# Altium PCB LPCB235R0.PcbDoc (part 5 of 7) (continued)
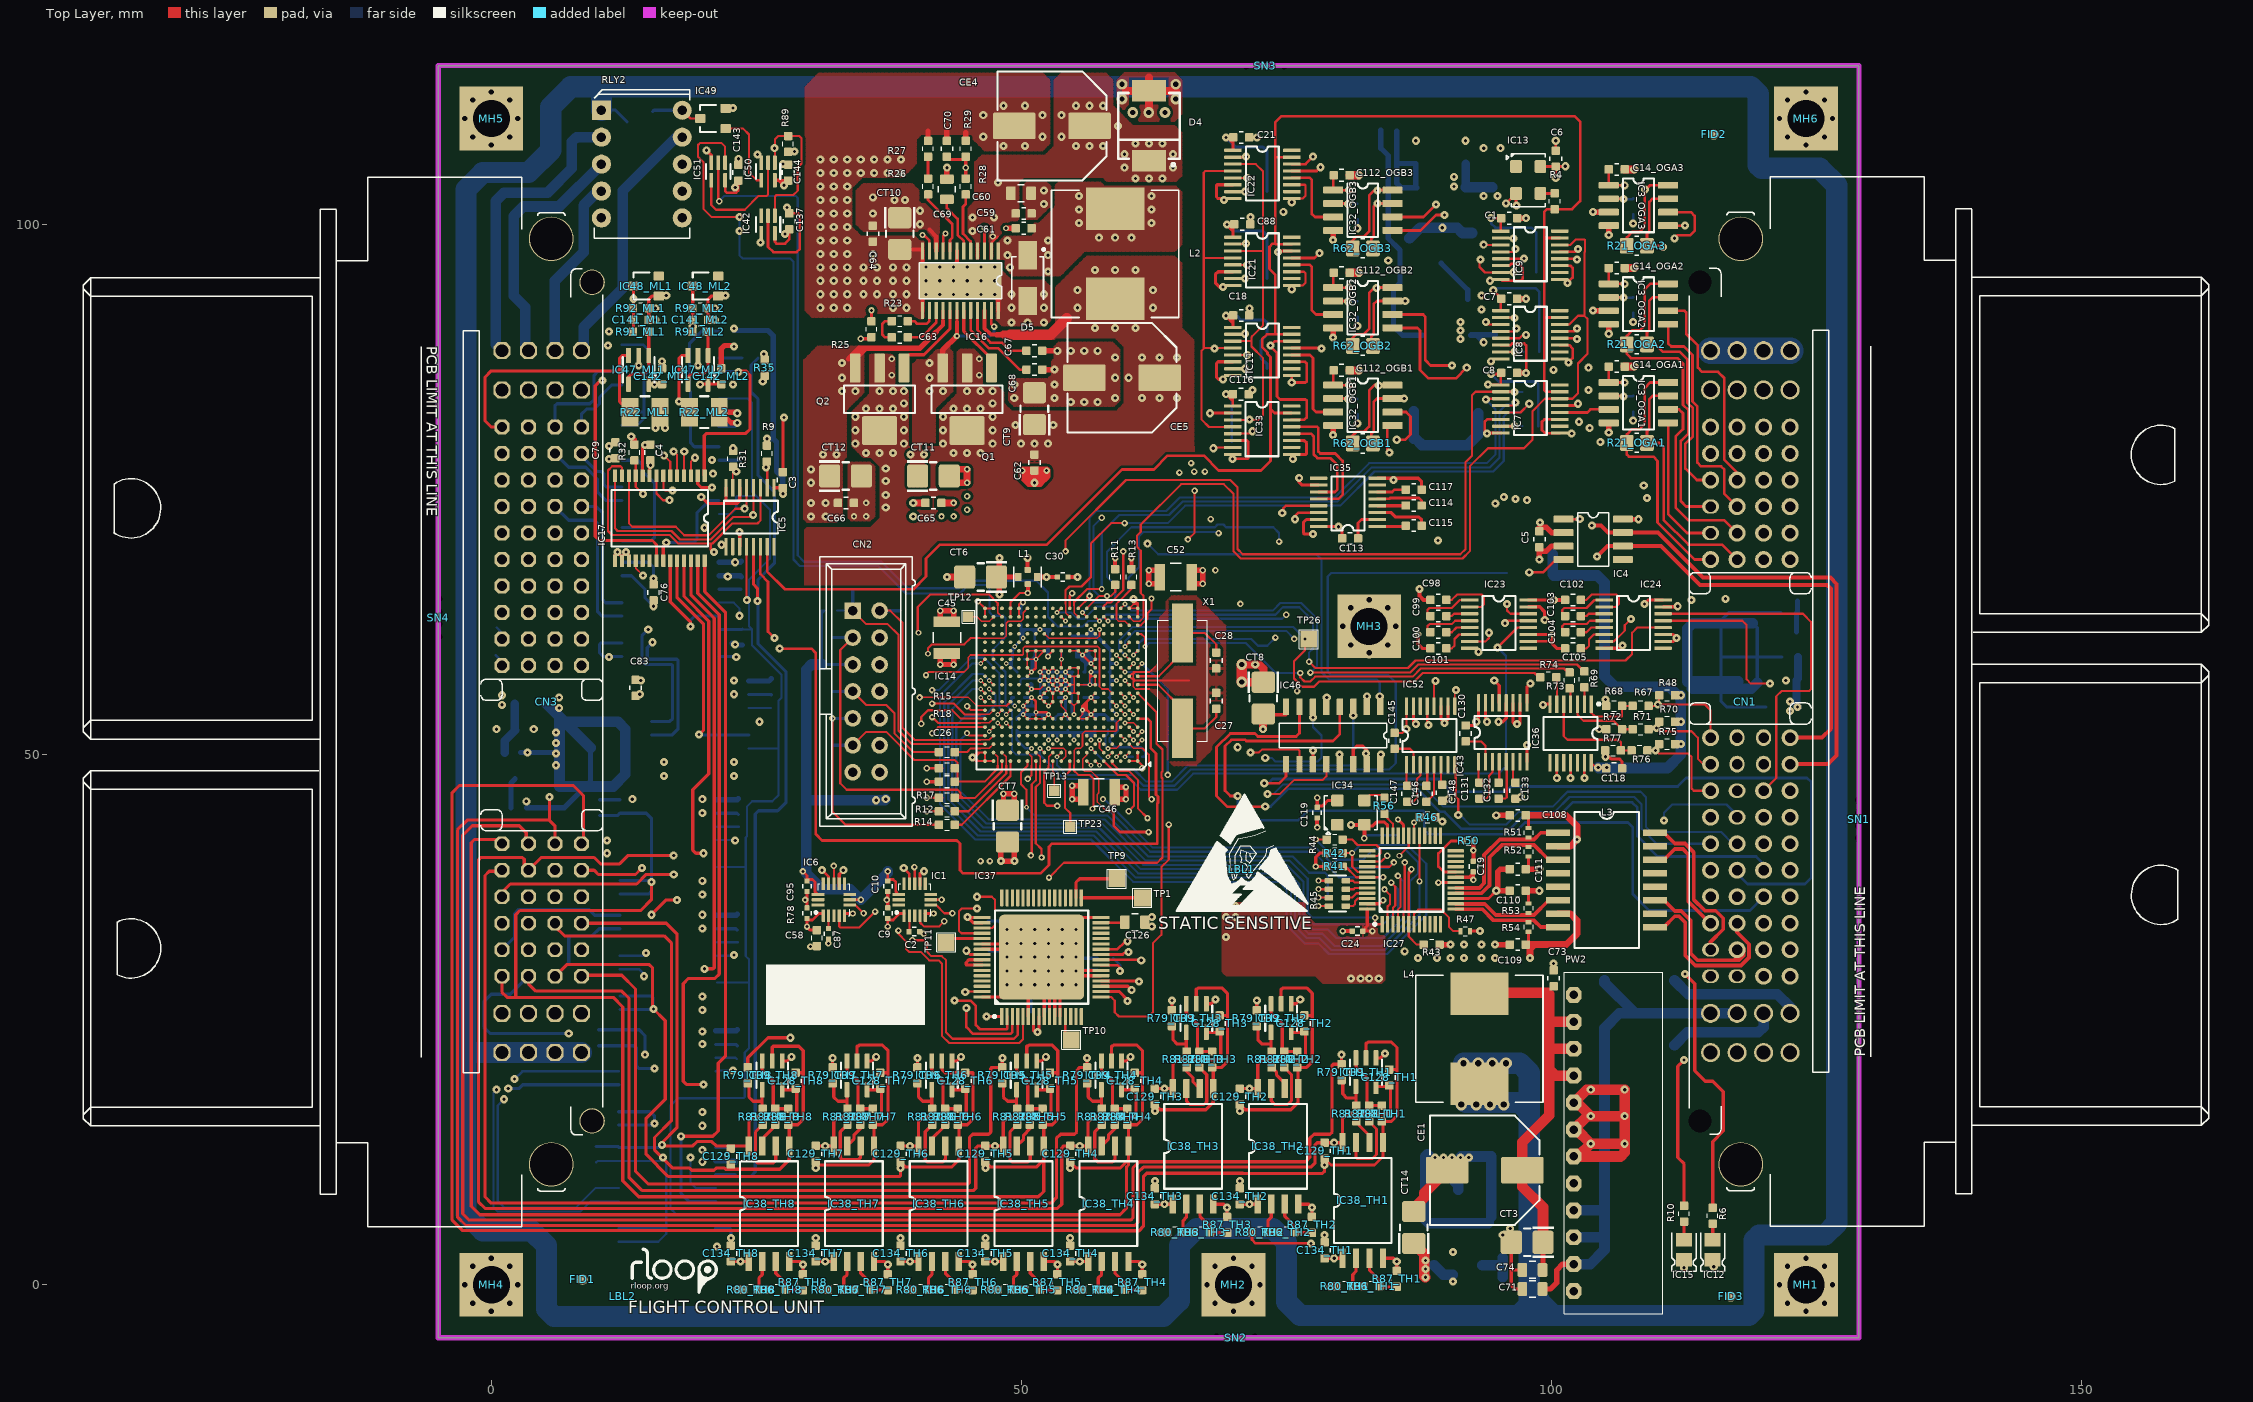
[diagram p0: Top Layer view]
## Nets (pads, with @x,y where several pads share a name; then routed paths per layer and width w, separated by ;. In a path a pad name is that pad's centre, name@x,y a point inside that pad or via, vN(x,y) a via of type N, cw(c..) or ccw(c..) an arc to the next point about the centre after c; other vN are vias at no path point) (continued)
NetC100_1: C100.1 IC23.4 | length 4.9
  Top Layer w0.203: C100.1@88.575,61.548 88.309,61.814 88.309,62.132 88.487,62.31 90.595,62.31 90.92,62.635 IC23.4@92.265,62.635
NetC100_2: C100.2 IC23.5 | length 2.4
  Top Layer w0.203: C100.2@90.075,61.548 90.595,61.548 91.032,61.985 IC23.5@92.265,61.985
NetC101_1: C101.1 IC23.6 | length 3.1
  Top Layer w0.203: C101.1@90.075,60.024 90.595,60.024 90.849,60.278 90.849,60.913 91.271,61.335 IC23.6@92.265,61.335
NetC102_2: C102.2 IC24.2 | length 6
  Top Layer w0.203: C102.2@102.775,64.596 103.295,64.596 103.803,65.104 106.089,65.104 106.343,64.85 106.343,64.215 106.063,63.935 IC24.2@104.965,63.935
NetC103_1: C103.1 IC24.1 | length 5
  Top Layer w0.203: C103.1@101.275,63.072 101.009,63.338 101.009,63.656 101.187,63.834 103.295,63.834 104.046,64.585 IC24.1@104.965,64.585
NetC103_2: C103.2 IC24.3 | length 2.3
  Top Layer w0.203: C103.2@102.775,63.072 103.295,63.072 103.508,63.285 IC24.3@104.965,63.285
NetC104_1: C104.1 IC24.4 | length 4.9
  Top Layer w0.203: C104.1@101.275,61.548 101.009,61.814 101.009,62.132 101.187,62.31 103.295,62.31 103.62,62.635 IC24.4@104.965,62.635
NetC104_2: C104.2 IC24.5 | length 2.4
  Top Layer w0.203: C104.2@102.775,61.548 103.295,61.548 103.732,61.985 IC24.5@104.965,61.985
NetC105_1: C105.1 IC24.6 | length 3.1
  Top Layer w0.203: C105.1@102.775,60.024 103.295,60.024 103.549,60.278 103.549,60.913 103.971,61.335 IC24.6@104.965,61.335
NetC113_2: C113.2 IC35.2 | length 3.4
  Top Layer w0.3: C113.2@81.75,70.4 81.75,71.85 82.075,72.175 IC35.2@83.575,72.175
NetC114_1: C114.1 IC35.4 | length 2.7
  Top Layer w0.3: IC35.4@83.575,73.475 86.225,73.475 C114.1@86.25,73.5
NetC114_2: C114.2 IC35.5 | length 4.8
  Top Layer w0.25: IC35.5@83.575,74.125 84.725,74.125 84.803,74.203 87.497,74.203 87.75,73.95 C114.2@87.75,73.5
NetC115_1: C115.1 IC35.1 | length 2.7
  Top Layer w0.3: IC35.1@83.575,71.525 86.175,71.525 C115.1@86.25,71.6
NetC115_2: C115.2 IC35.3 | length 5
  Top Layer w0.3: IC35.3@83.575,72.825 84.875,72.825 85.3,72.4 87.5,72.4 87.75,72.15 C115.2@87.75,71.6
NetC117_1: C117.1 IC35.6 | length 2.8
  Top Layer w0.25: IC35.6@83.575,74.775 84.975,74.775 85.2,75 C117.1@86.25,75
NetC126_2: C126.2 IC37.31 | length 2.3
  Top Layer w0.203: IC37.31@57.5,34.15 59.7,34.15 C126.2@59.75,34.2
NetC130_2: C130.2 IC43.2 | length 3.6
  Top Layer w0.203: C130.2@91.9,51.25 93.35,51.25 93.775,50.825 IC43.2@93.775,49.325
NetC131_1: C131.1 IC43.1 | length 2
  Top Layer w0.203: IC43.1@93.125,49.325 93.125,47.425 C131.1@93.2,47.35
NetC131_2: C131.2 IC43.3 | length 4.4
  Top Layer w0.203: C131.2@93.2,45.85 93.85,45.85 94.1,46.1 94.1,48 94.425,48.325 IC43.3@94.425,49.325
NetC132_1: C132.1 IC43.4 | length 2
  Top Layer w0.203: C132.1@95,47.35 95.075,47.425 IC43.4@95.075,49.325
NetC132_2: C132.2 IC43.5 | length 4.1
  Top Layer w0.203: C132.2@95.1,45.85 95.65,45.85 95.779,45.979 95.779,49.271 IC43.5@95.725,49.325
NetC133_1: C133.1 IC43.6 | length 2
  Top Layer w0.203: IC43.6@96.375,49.325 96.375,47.475 C133.1@96.5,47.35
NetC138_1: C138.1 D17.1 IC45.1 | length 2.9
  Bottom Layer w0.5: C138.1@1.85,45 1.85,47.323 IC45.1@2.241,47.714
NetC145_2: C145.2 IC52.2 | length 3.1
  Top Layer w0.203: C145.2@85.2,50.55 86.65,50.55 86.975,50.225 IC52.2@86.975,49.025
NetC146_1: C146.1 IC52.4 | length 2
  Top Layer w0.203: C146.1@88.2,47.05 88.275,47.125 IC52.4@88.275,49.025
NetC146_2: C146.2 IC52.5 | length 3.8
  Top Layer w0.203: C146.2@88.2,45.55 88.925,46.275 IC52.5@88.925,49.025
NetC147_1: C147.1 IC52.1 | length 2
  Top Layer w0.203: IC52.1@86.325,49.025 86.325,47.125 C147.1@86.4,47.05
NetC147_2: C147.2 IC52.3 | length 4.3
  Top Layer w0.203: C147.2@86.4,45.55 86.95,45.55 87.3,45.9 87.3,47.7 87.625,48.025 IC52.3@87.625,49.025
NetC148_1: C148.1 IC52.6 | length 1.9
  Top Layer w0.203: IC52.6@89.575,49.025 89.575,47.275 C148.1@89.7,47.15
NetD10_1: D10.1 IC49.3 RLY2.10 | length 4.9
  Top Layer w0.203: RLY2.10@18.01,110.78 18.79,110 IC49.3@19.7,110
  Bottom Layer w0.3: D10.1@15.2,110.65 15.33,110.78 RLY2.10@18.01,110.78
NetIC3_OGA1_2: IC3_OGA1.2 R39_OGA1.2 | length 2.3
  Top Layer w0.25: IC3_OGA1.2@105.4,83.835 106.765,83.835 v1(106.8,83.8)
  Bottom Layer w0.25: v1(106.8,83.8) 107.65,83.8 R39_OGA1.2@107.7,83.85
NetIC3_OGA2_2: IC3_OGA2.2 R39_OGA2.2 | length 2.3
  Top Layer w0.25: IC3_OGA2.2@105.4,93.135 106.765,93.135 v1(106.8,93.1)
  Bottom Layer w0.25: v1(106.8,93.1) 107.65,93.1 R39_OGA2.2@107.7,93.15
NetIC3_OGA3_2: IC3_OGA3.2 R39_OGA3.2 | length 2.3
  Top Layer w0.25: IC3_OGA3.2@105.4,102.435 106.765,102.435 v1(106.8,102.4)
  Bottom Layer w0.25: v1(106.8,102.4) 107.65,102.4 R39_OGA3.2@107.7,102.45
NetIC4_4: IC4.4 R5.2 | length 3.7
  Top Layer w0.254: v1(97.9,67.2) 99.2,67.2 100.406,68.406 IC4.4@101.13,68.406
NetIC12_A: IC12.A R6.1 | length 1.5
  Top Layer w0.3: IC12.A@115.2,4.25 R6.1@115.2,5.75
NetIC13_3: IC13.3 R4.1 | length 1.4
  Top Layer w0.25: IC13.3@98.95,102.93 100.28,102.93 R4.1@100.3,102.95
NetIC14_A9: IC14.A9 TP23.1 | length 6.6
  Top Layer w0.203: IC14.A9@54.565,49.395 54.565,48.465 54.1,48 54.1,45 54.6,44.5 TP23.1@54.6,43.2
NetIC14_A11: IC14.A11 TP13.1 | length 3
  Top Layer w0.152: IC14.A11@52.965,49.395 52.965,48.435 53.1,48.3 53.1,47 TP13.1@53.5,46.6
NetIC14_A16: IC14.A16 R14.1 | length 8.6
  Top Layer w0.203: R14.1@43.72,43.387 44.367,43.387 48.965,47.985 IC14.A16@48.965,49.395
NetIC14_B4: IC14.B4 IC27.40 | length 38.4
  Top Layer w0.152: v3(58.165,49.795) IC14.B4@58.565,50.195
  Top Layer w0.203: IC27.40@82.61,39.43 84.733,39.43 v2(85.134,39.831)
  MidLayer2 w0.203: v6(57.702,45.8) 57.702,47.578 58.464,48.34 58.464,49.496 v3(58.165,49.795)
  Bottom Layer w0.203: 57.956,45.673 57.702,45.673 v6(57.702,45.8) 57.829,45.8 62.401,41.228 77.768,41.228 79.673,39.323 84.626,39.323 v2(85.134,39.831)
NetIC14_B11: IC14.B11 IC27.39 | length 42.3
  Top Layer w0.152: 52.565,48.975 52.565,49.795 IC14.B11@52.965,50.195
  Top Layer w0.203: 52.565,48.975 52.565,48.8 52.146,48.381 52.146,45.454 52.416,45.184 52.916,45.184 53.365,45.184 v2(53.384,45.165) ; IC27.39@82.61,39.93 83.963,39.93 v2(84.499,40.466)
  MidLayer1 w0.203: v2(53.384,45.165) 57.194,41.355 77.514,41.355 79.292,39.577 83.61,39.577 v2(84.499,40.466)
NetIC14_B14: IC14.B14 TP3.1 | length 2.8
  Top Layer w0.152: IC14.B14@50.565,50.195 50.965,49.795 50.965,48.975
  Top Layer w0.203: v2(50.59,47.705) 50.965,48.08 50.965,48.975
NetIC14_B17: IC14.B17 R12.2 | length 8.8
  Top Layer w0.152: IC14.B17@48.165,50.195 48.565,49.795 48.565,48.975
  Top Layer w0.203: R12.2@43.42,44.657 45.002,44.657 48.565,48.22 48.565,48.975
NetIC14_C4: IC14.C4
NetIC14_C5: IC14.C5
NetIC14_C6: IC14.C6
NetIC14_C18: IC14.C18 R15.1 | length 4
  Top Layer w0.152: 46.145,50.595 46.965,50.595 IC14.C18@47.365,50.995
  Top Layer w0.203: R15.1@43.72,50.245 44.875,50.245 45.225,50.595 46.145,50.595
NetIC14_D4: IC14.D4
NetIC14_D5: IC14.D5
NetIC14_D16: IC14.D16
NetIC14_D19: IC14.D19 IC27.1 | length 55.1
  Top Layer w0.203: v6(44.875,52.023) 45.103,51.795 IC14.D19@46.565,51.795 ; v2(83.356,34.624) 83.356,34.243 83.594,34.005 IC27.1@84.035,34.005
  Bottom Layer w0.203: v6(44.875,52.023) 44.24,51.388 44.24,46.562 46.907,43.895 57.829,43.895 61.724,40 75.3,40 77,38.3 77,35.1 77.476,34.624 ; 78,34.624 77.476,34.624 ; v2(83.356,34.624) 77.476,34.624
NetIC14_E18: IC14.E18 IC27.6 R43.1 | length 58.6
  Top Layer w0.152: v3(46.965,52.195) IC14.E18@47.365,52.595
  Top Layer w0.203: 86.535,38.688 86.789,38.942 v2(86.789,39.196) 86.535,38.942 IC27.6@86.535,34.005 86.535,32.842 87.293,32.084 R43.1@87.94,32.084
  MidLayer1 w0.203: v3(46.965,52.195) 46.965,45.361 49.066,43.26 52.368,43.26 54.654,40.974 77.26,40.974 79.038,39.196 v2(86.789,39.196)
NetIC14_H19: IC14.H19 IC27.2 | length 62.2
  Top Layer w0.152: v3(46.165,55.395) IC14.H19@46.565,54.995
  Top Layer w0.203: v2(84.245,37.291) 84.753,36.783 84.753,35.894 84.535,35.676 IC27.2@84.535,34.005
  MidLayer1 w0.203: v3(46.165,55.395) 44.818,55.395 43.224,53.801 43.224,47.197 48.304,42.117 51.225,42.117 54.842,38.5 59.6,38.5 61.2,36.9 76.6,36.9 76.8,36.7 76.8,35.3 77.1,35 79.7,35 81.991,37.291 v2(84.245,37.291)
NetIC14_J18: IC14.J18 IC27.3 | length 69.4
  Top Layer w0.152: v3(46.965,56.195) IC14.J18@47.365,55.795
  Top Layer w0.203: v2(84.88,37.926) 85.261,37.545 85.261,35.767 85.035,35.541 IC27.3@85.035,34.005
  Bottom Layer w0.203: v3@46.895,56.195 v3(46.965,56.195) 47.542,55.618 47.542,54.69 46.526,53.674 44.748,53.674 43.859,52.785 43.859,46.308 46.653,43.514 57.575,43.514 61.489,39.6 75,39.6 76.6,38 76.6,34.939 77.539,34 84.115,34 85.515,35.4 85.515,37.291 v2(84.88,37.926)
NetIC14_J19: IC14.J19 IC27.4 | length 71.8
  Top Layer w0.152: v3(46.165,56.195) IC14.J19@46.565,55.795
  Top Layer w0.203: v2(85.515,38.561) 85.769,38.307 85.769,35.64 85.535,35.406 IC27.4@85.535,34.005
  Bottom Layer w0.203: v3(46.165,56.195) 45.364,56.195 43.478,54.309 43.478,46.054 46.399,43.133 57.321,43.133 61.254,39.2 74.8,39.2 76.2,37.8 76.2,34.8 77.5,33.5 78.9,33.5 79.7,32.7 84.099,32.7 86.023,34.624 86.023,38.053 v2(85.515,38.561)
NetIC14_K17: IC14.K17
NetIC14_K18: IC14.K18 IC27.29 | length 77.5
  Top Layer w0.152: v3(46.965,56.995) IC14.K18@47.365,56.595
  Top Layer w0.203: v6(87.535,38.053) IC27.29@87.535,42.355
  Bottom Layer w0.203: v3(46.965,56.995) 46.349,57.611 45.383,57.611 42.716,54.944 42.716,45.546 45.891,42.371 56.813,42.371 60.784,38.4 74.4,38.4 75.419,37.381 75.419,34.181 76.9,32.7 ; 77.5,32.7 76.9,32.7 ; v6@87.547,38.053 87.547,34.878 84.245,31.576 79.224,31.576 78.1,32.7 76.9,32.7
NetIC14_K19: IC14.K19 R44.1 | length 84.3
  Top Layer w0.152: v3(46.165,56.995) IC14.K19@46.565,56.595
  Top Layer w0.203: v6(77.768,41.99) R44.1@78.796,41.99
  Bottom Layer w0.203: v3(46.165,56.995) 45.402,56.995 43.097,54.69 43.097,45.8 46.145,42.752 57.067,42.752 61.019,38.8 74.661,38.8 75.8,37.661 75.8,34.4 77.1,33.1 ; 77.7,33.1 77.1,33.1 ; v6(77.768,41.99) 79.673,40.085 82.213,40.085 83.229,41.101 86.15,41.101 87.42,39.831 87.42,38.815 86.658,38.053 86.658,34.624 83.991,31.957 79.543,31.957 78.4,33.1 77.1,33.1
NetIC14_M3: IC14.M3 TP22.1 | length 1.9
  Top Layer w0.152: IC14.M3@59.365,58.195 v3(59.765,57.795)
  Bottom Layer w0.152: v3(59.765,57.795) 60.565,57.795 TP22.1@60.965,57.395
NetIC14_N17: IC14.N17
NetIC14_N19: IC14.N19 IC27.41 R42.1 | length 88.3
  Top Layer w0.152: v3(46.165,58.595) IC14.N19@46.565,58.995
  Top Layer w0.203: R42.1@80.296,40.72 v6(81.197,40.72) 81.197,39.45 81.717,38.93 IC27.41@82.61,38.93
  Bottom Layer w0.203: v3(46.165,58.595) 45.351,58.595 42.335,55.579 42.335,45.292 45.637,41.99 56.559,41.99 60.549,38 74.261,38 75,37.261 75,33.9 76.7,32.2 ; 77.2,32.2 76.7,32.2 ; v6(81.197,40.72) 81.959,41.482 86.404,41.482 88.182,39.704 88.182,34.878 84.499,31.195 79.005,31.195 78,32.2 76.7,32.2
NetIC14_R2: IC14.R2 IC27.5 | length 53.7
  Top Layer w0.152: v3(59.765,60.195) IC14.R2@60.165,60.595
  Top Layer w0.203: IC27.5@86.035,34.005 86.035,35.144 86.15,35.259 v2(86.15,39.831)
  MidLayer2 w0.203: v2(75.736,60.913) 75.355,60.532 75.355,45.165 75.99,44.53 82.848,44.53 86.531,40.847 86.531,40.212 v2(86.15,39.831)
  Bottom Layer w0.203: v3(59.765,60.195) 59.765,60.69 60.75,61.675 74.974,61.675 v2(75.736,60.913)
NetIC14_U2: IC14.U2 R13.1 | length 5.4
  Top Layer w0.152: 59.165,64.422 58.965,64.222 58.965,62.795 59.165,62.595 59.765,62.595 IC14.U2@60.165,62.195
  Top Layer w0.203: 59.165,64.422 60.369,65.626 R13.1@60.369,66.132
NetIC14_V18: IC14.V18 TP12.1 | length 2.7
  Top Layer w0.152: TP12.1@45,63 45.8,63 46.204,62.596 46.996,62.596 IC14.V18@47.365,62.965
  Top Layer w0.203: IC14.V18@47.365,62.965 IC14.V18@47.365,62.995
NetIC15_A: IC15.A R10.1 | length 1.7
  Top Layer w0.3: IC15.A@112.5,4.25 R10.1@112.5,5.95
NetIC16_5: IC16.5 R28.2 | length 5.7
  Top Layer w0.254: R28.2@44.748,102.835 44.748,101.934 44.494,101.68 44.494,99.14 45.215,98.419 IC16.5@45.215,97.495
NetIC16_8: IC16.8 R26.2 | length 6.4
  Top Layer w0.254: R26.2@41.192,102.835 41.192,102.315 43.478,100.029 43.478,98.759 43.265,98.546 IC16.8@43.265,97.495
NetIC16_14: IC16.14 R23.1 | length 3.3
  Top Layer w0.254: R23.1@39.275,90.885 39.922,90.885 40.176,90.631 41.065,90.631 41.315,90.881 IC16.14@41.315,91.895
NetIC16_17: IC16.17 Q2.1 | length 8
  Top Layer w0.305: Q2.1@38.92,86.469 38.92,87.216 39.414,87.71 40.811,87.71 43.265,90.164 IC16.17@43.265,91.895
NetIC16_19: IC16.19 Q1.1 | length 6.5
  Top Layer w0.305: IC16.19@44.565,91.895 44.565,89.95 47.175,87.34 Q1.1@47.175,86.469
NetIC18_3: IC18.3 R33.2 | length 2.2
  Bottom Layer w0.3: IC18.3@21.475,87.405 23.645,87.405 R33.2@23.65,87.4
NetIC25_3: IC25.3 R34.2 | length 2.1
  Bottom Layer w0.3: IC25.3@21.475,65.605 23.545,65.605 R34.2@23.55,65.6
NetIC26_3: IC26.3 R35.2 | length 12.4
  MidLayer1 w0.3: v1(20.9,76.5) 21.1,76.5 21.7,77.1 21.7,83.2 22.1,83.6 24.9,83.6 25.6,84.3 v1(25.6,85.2)
NetIC27_7: IC27.7 R47.2 | length 6.9
  Top Layer w0.203: IC27.7@87.035,34.005 87.035,35.001 87.42,35.386 89.579,35.386 90.341,34.624 90.341,33.735 90.722,33.354 R47.2@91.415,33.354
NetIC27_20: IC27.20 R50.2 | length 6
  Top Layer w0.254: IC27.20@90.96,38.93 89.845,38.93 89.325,39.45 89.325,40.466 89.325,40.669 90.519,41.863 R50.2@91.72,41.863
NetIC27_34: IC27.34 R56.2 | length 2.4
  Top Layer w0.203: R56.2@84.245,44.415 84.245,44.276 85.035,43.486 IC27.34@85.035,42.355
NetIC27_38: IC27.38 R44.2 | length 5.7
  Top Layer w0.203: R44.2@80.296,41.99 81.197,41.99 81.705,41.482 83.483,41.482 83.864,41.101 83.864,40.72 83.574,40.43 IC27.38@82.61,40.43
NetIC27_43: IC27.43 R45.8 | length 2.1
  Top Layer w0.203: R45.8@80.6,38.11 81.267,38.11 81.447,37.93 IC27.43@82.61,37.93
NetIC27_44: IC27.44 R45.7 | length 2.1
  Top Layer w0.203: R45.7@80.6,37.31 81.343,37.31 81.463,37.43 IC27.44@82.61,37.43
NetIC27_45: IC27.45 R45.6 | length 2.2
  Top Layer w0.203: R45.6@80.6,36.51 81.178,36.51 81.598,36.93 IC27.45@82.61,36.93
NetIC27_46: IC27.46 R45.5 | length 2.5
  Top Layer w0.203: R45.5@80.6,35.71 81.267,35.71 81.451,35.894 81.451,36.148 81.733,36.43 IC27.46@82.61,36.43
NetIC28_3: IC28.3 R36.2 | length 2.1
  Bottom Layer w0.203: IC28.3@24.275,54.405 26.345,54.405 R36.2@26.35,54.4
NetIC29_3: IC29.3 R37.2 | length 2.1
  Bottom Layer w0.203: IC29.3@21.275,43.205 23.345,43.205 R37.2@23.35,43.2
NetIC30_3: IC30.3 R38.2 | length 2
  Bottom Layer w0.203: IC30.3@21.175,21.405 23.045,21.405 R38.2@23.15,21.3
NetIC31_3: IC31.3 R49.2 | length 2
  Bottom Layer w0.203: IC31.3@21.275,32.305 23.245,32.305 R49.2@23.25,32.3
NetIC32_OGB1_2: IC32_OGB1.2 R63_OGB1.2 | length 2.3
  Top Layer w0.25: IC32_OGB1.2@79.4,83.585 80.765,83.585 v1(80.8,83.55)
  Bottom Layer w0.25: v1(80.8,83.55) R63_OGB1.2@81.65,83.55
NetIC32_OGB2_2: IC32_OGB2.2 R63_OGB2.2 | length 2.3
  Top Layer w0.25: IC32_OGB2.2@79.4,92.785 80.765,92.785 v1(80.8,92.75)
  Bottom Layer w0.25: v1(80.8,92.75) R63_OGB2.2@81.65,92.75
NetIC32_OGB3_2: IC32_OGB3.2 R63_OGB3.2 | length 2.3
  Top Layer w0.25: IC32_OGB3.2@79.4,101.985 80.765,101.985 v1(80.8,101.95)
  Bottom Layer w0.25: v1(80.8,101.95) R63_OGB3.2@81.65,101.95
NetIC33_12: IC33.12 IC35.11 | length 10.7
  Top Layer w0.25: IC33.12@75.475,80.275 77.325,80.275 77.572,80.028 77.572,78.328 77.928,77.972 79.128,77.972 79.8,77.3 79.8,75 79.575,74.775 IC35.11@78.025,74.775
NetIC33_13: IC33.13 IC35.12 | length 13.1
  Top Layer w0.25: IC33.13@75.475,80.925 77.875,80.925 78,80.8 78,78.6 78.2,78.4 79.6,78.4 80.3,77.7 80.3,74.5 79.925,74.125 IC35.12@78.025,74.125
NetIC34_3: IC34.3 R56.1 | length 2.3
  Top Layer w0.203: IC34.3@82.34,45.68 82.841,46.181 84.118,46.181 84.245,46.054 R56.1@84.245,45.915
NetIC36_2: IC36.2 R69.2 | length 1.6
  Top Layer w0.203: IC36.2@103.1,54.775 R69.2@103.1,56.4
NetIC36_4: IC36.4 R73.2 | length 1.5
  Top Layer w0.203: IC36.4@101.8,54.775 R73.2@101.8,56.3
NetIC36_6: IC36.6 R74.2 | length 2.5
  Top Layer w0.203: R74.2@100.45,57.3 100.5,57.25 IC36.6@100.5,54.775
NetIC37_13: IC37.13 TP10.1 | length 2.4
  Top Layer w0.25: IC37.13@54.15,25.3 54.15,23.65 TP10.1@54.7,23.1
NetIC37_33: IC37.33 TP1.1 | length 5.7
  Top Layer w0.3: IC37.33@55.65,36.5 TP1.1@61.4,36.5
NetIC37_34: IC37.34 TP9.1 | length 5.4
  Top Layer w0.3: IC37.34@55.15,36.5 55.15,37.95 55.5,38.3 TP9.1@59,38.3
NetIC37_53: IC37.53 TP11.1 | length 3.5
  Top Layer w0.3: TP11.1@42.9,32.3 43.25,32.65 IC37.53@46.3,32.65
NetIC37_57: IC37.57 IC37.58 | length 3.3
  Top Layer w0.3: IC37.58@46.3,30.15 44.85,30.15 44.8,30.2 44.8,30.4 45.05,30.65 IC37.57@46.3,30.65
NetIC38_TH1_2: IC38_TH1.2 R80_TH1.1 R86_TH1.2 | length 3.8
  Top Layer w0.3: IC38_TH1.2@81.56,2.5 81.56,1.26 81.245,0.945 R80_TH1.1@81.245,-0.15 R86_TH1.2@82.245,-0.15
NetIC38_TH1_3: IC38_TH1.3 R86_TH1.1 R87_TH1.2 | length 4.7
  Top Layer w0.3: IC38_TH1.3@82.83,2.5 82.83,1.37 83.745,0.455 R86_TH1.1@83.745,-0.15 83.795,-0.2 R87_TH1.2@85.395,-0.2
NetIC38_TH1_6: IC38_TH1.6 R81_TH1.1 | length 2.6
  Top Layer w0.3: R81_TH1.1@81.56,15.365 R81_TH1.1@81.595,15.4 81.595,15.305 82.83,14.07 IC38_TH1.6@82.83,13.4
NetIC38_TH1_7: IC38_TH1.7 R82_TH1.1 | length 6.9
  Top Layer w0.25: IC38_TH1.7@81.56,13.4 81.56,12.04 81.7,11.9 83.1,11.9 83.497,12.297 83.497,14.698 R82_TH1.1@82.795,15.4
NetIC38_TH2_2: IC38_TH2.2 R80_TH2.1 R86_TH2.2 | length 3.8
  Top Layer w0.3: IC38_TH2.2@73.56,7.6 73.56,6.36 73.245,6.045 R80_TH2.1@73.245,4.95 R86_TH2.2@74.245,4.95
NetIC38_TH2_3: IC38_TH2.3 R86_TH2.1 R87_TH2.2 | length 4.7
  Top Layer w0.3: IC38_TH2.3@74.83,7.6 74.83,6.47 75.745,5.555 R86_TH2.1@75.745,4.95 75.795,4.9 R87_TH2.2@77.395,4.9
NetIC38_TH2_6: IC38_TH2.6 R81_TH2.1 | length 2.6
  Top Layer w0.3: R81_TH2.1@73.56,20.465 R81_TH2.1@73.595,20.5 74.067,20.028 74.067,19.772 74.83,19.009 IC38_TH2.6@74.83,18.5
NetIC38_TH2_7: IC38_TH2.7 R82_TH2.1 | length 6.8
  Top Layer w0.3: IC38_TH2.7@73.56,18.5 73.56,17.34 73.9,17 75.1,17 75.472,17.372 75.472,19.818 74.795,20.495 R82_TH2.1@74.795,20.5 R82_TH2.1@74.83,20.465
NetIC38_TH3_2: IC38_TH3.2 R80_TH3.1 R86_TH3.2 | length 3.8
  Top Layer w0.3: IC38_TH3.2@65.56,7.6 65.56,6.36 65.245,6.045 R80_TH3.1@65.245,4.95 R86_TH3.2@66.245,4.95
NetIC38_TH3_3: IC38_TH3.3 R86_TH3.1 R87_TH3.2 | length 4.7
  Top Layer w0.3: IC38_TH3.3@66.83,7.6 66.83,6.47 67.745,5.555 R86_TH3.1@67.745,4.95 67.795,4.9 R87_TH3.2@69.395,4.9
NetIC38_TH3_6: IC38_TH3.6 R81_TH3.1 | length 2.6
  Top Layer w0.3: R81_TH3.1@65.56,20.465 R81_TH3.1@65.595,20.5 65.595,20.111 66.188,19.518 66.188,19.142 IC38_TH3.6@66.83,18.5
NetIC38_TH3_7: IC38_TH3.7 R82_TH3.1 | length 6.9
  Top Layer w0.3: IC38_TH3.7@65.56,18.5 65.56,17.34 65.9,17 67.224,17 67.472,17.248 67.472,19.818 66.795,20.495 R82_TH3.1@66.795,20.5 R82_TH3.1@66.83,20.465
NetIC38_TH4_2: IC38_TH4.2 R80_TH4.1 R86_TH4.2 | length 3.8
  Top Layer w0.3: IC38_TH4.2@57.56,2.2 57.56,0.96 57.245,0.645 R80_TH4.1@57.245,-0.45 R86_TH4.2@58.245,-0.45
NetIC38_TH4_3: IC38_TH4.3 R86_TH4.1 R87_TH4.2 | length 4.7
  Top Layer w0.3: IC38_TH4.3@58.83,2.2 58.83,1.07 59.745,0.155 R86_TH4.1@59.745,-0.45 59.795,-0.5 R87_TH4.2@61.395,-0.5
NetIC38_TH4_6: IC38_TH4.6 R81_TH4.1 | length 6.9
  Top Layer w0.3: R81_TH4.1@57.595,15.1 56.918,14.423 56.918,11.882 57.2,11.6 58.6,11.6 58.83,11.83 IC38_TH4.6@58.83,13.1
NetIC38_TH4_7: IC38_TH4.7 R82_TH4.1 | length 2.6
  Top Layer w0.3: IC38_TH4.7@57.56,13.1 58.202,13.742 58.202,14.118 58.795,14.711 R82_TH4.1@58.795,15.1 R82_TH4.1@58.83,15.065
NetIC38_TH5_2: IC38_TH5.2 R80_TH5.1 R86_TH5.2 | length 3.8
  Top Layer w0.3: IC38_TH5.2@49.56,2.2 49.56,0.96 49.245,0.645 R80_TH5.1@49.245,-0.45 R86_TH5.2@50.245,-0.45
NetIC38_TH5_3: IC38_TH5.3 R86_TH5.1 R87_TH5.2 | length 4.7
  Top Layer w0.3: IC38_TH5.3@50.83,2.2 50.83,1.07 51.745,0.155 R86_TH5.1@51.745,-0.45 51.795,-0.5 R87_TH5.2@53.395,-0.5
NetIC38_TH5_6: IC38_TH5.6 R81_TH5.1 | length 7
  Top Layer w0.3: R81_TH5.1@49.595,15.1 48.918,14.423 48.918,11.782 49.122,11.578 50.6,11.578 50.83,11.808 IC38_TH5.6@50.83,13.1
NetIC38_TH5_7: IC38_TH5.7 R82_TH5.1 | length 2.6
  Top Layer w0.3: IC38_TH5.7@49.56,13.1 50.202,13.742 50.202,14.118 50.795,14.711 R82_TH5.1@50.795,15.1 R82_TH5.1@50.83,15.065
NetIC38_TH6_2: IC38_TH6.2 R80_TH6.1 R86_TH6.2 | length 3.8
  Top Layer w0.3: IC38_TH6.2@41.56,2.2 41.56,0.96 41.245,0.645 R80_TH6.1@41.245,-0.45 R86_TH6.2@42.245,-0.45
NetIC38_TH6_3: IC38_TH6.3 R86_TH6.1 R87_TH6.2 | length 4.7
  Top Layer w0.3: IC38_TH6.3@42.83,2.2 42.83,1.07 43.745,0.155 R86_TH6.1@43.745,-0.45 43.795,-0.5 R87_TH6.2@45.395,-0.5
NetIC38_TH6_6: IC38_TH6.6 R81_TH6.1 | length 6.9
  Top Layer w0.3: R81_TH6.1@41.595,15.1 40.932,14.437 40.932,11.768 41.1,11.6 42.6,11.6 42.83,11.83 IC38_TH6.6@42.83,13.1
NetIC38_TH6_7: IC38_TH6.7 R82_TH6.1 | length 2.6
  Top Layer w0.3: IC38_TH6.7@41.56,13.1 41.56,13.76 42.795,14.995 R82_TH6.1@42.795,15.1 R82_TH6.1@42.83,15.065
NetIC38_TH7_2: IC38_TH7.2 R80_TH7.1 R86_TH7.2 | length 3.8
  Top Layer w0.3: IC38_TH7.2@33.56,2.2 33.56,0.96 33.245,0.645 R80_TH7.1@33.245,-0.45 R86_TH7.2@34.245,-0.45
NetIC38_TH7_3: IC38_TH7.3 R86_TH7.1 R87_TH7.2 | length 4.7
  Top Layer w0.3: IC38_TH7.3@34.83,2.2 34.83,1.07 35.745,0.155 R86_TH7.1@35.745,-0.45 35.795,-0.5 R87_TH7.2@37.395,-0.5
NetIC38_TH7_6: IC38_TH7.6 R81_TH7.1 | length 6.6
  Top Layer w0.3: R81_TH7.1@33.595,15.1 32.918,14.423 32.918,11.982 33.1,11.8 34.6,11.8 34.83,12.03 IC38_TH7.6@34.83,13.1
NetIC38_TH7_7: IC38_TH7.7 R82_TH7.1 | length 2.6
  Top Layer w0.3: IC38_TH7.7@33.56,13.1 34.202,13.742 34.202,14.118 34.795,14.711 R82_TH7.1@34.795,15.1 R82_TH7.1@34.83,15.065
NetIC38_TH8_2: IC38_TH8.2 R80_TH8.1 R86_TH8.2 | length 3.8
  Top Layer w0.3: IC38_TH8.2@25.56,2.2 25.56,0.96 25.245,0.645 R80_TH8.1@25.245,-0.45 R86_TH8.2@26.245,-0.45
NetIC38_TH8_3: IC38_TH8.3 R86_TH8.1 R87_TH8.2 | length 4.7
  Top Layer w0.3: IC38_TH8.3@26.83,2.2 26.83,1.07 27.745,0.155 R86_TH8.1@27.745,-0.45 27.795,-0.5 R87_TH8.2@29.395,-0.5
NetIC38_TH8_6: IC38_TH8.6 R81_TH8.1 | length 7.2
  Top Layer w0.3: R81_TH8.1@25.595,15.1 24.918,14.423 24.918,11.682 25.1,11.5 26.6,11.5 26.83,11.73 IC38_TH8.6@26.83,13.1
NetIC38_TH8_7: IC38_TH8.7 R82_TH8.1 | length 2.6
  Top Layer w0.3: IC38_TH8.7@25.56,13.1 25.56,13.76 26.795,14.995 R82_TH8.1@26.795,15.1 R82_TH8.1@26.83,15.065
NetIC39_TH1_3: IC39_TH1.3 R82_TH1.2 R88_TH1.2 | length 6.2
  Top Layer w0.3: IC39_TH1.3@81.545,21.4 81.545,20.555 82.6,19.5 82.6,17.095 R82_TH1.2@82.795,16.9 R88_TH1.2@83.995,16.9
NetIC39_TH1_4: IC39_TH1.4 R79_TH1.2 R81_TH1.2 | length 4.6
  Top Layer w0.3: R79_TH1.2@80.195,19.3 80.3,19.195 80.3,18 80.7,17.6 81.545,17.6 ; IC39_TH1.4@81.545,18.7 81.545,17.6 ; R81_TH1.2@81.595,16.9 81.545,16.95 81.545,17.6
NetIC39_TH2_3: IC39_TH2.3 R82_TH2.2 R88_TH2.2 | length 6.2
  Top Layer w0.3: IC39_TH2.3@73.545,26.5 73.545,25.655 74.6,24.6 74.6,22.195 R82_TH2.2@74.795,22 R88_TH2.2@75.995,22
NetIC39_TH2_4: IC39_TH2.4 R79_TH2.2 R81_TH2.2 | length 4.6
  Top Layer w0.3: R79_TH2.2@72.195,24.4 72.3,24.295 72.3,23.1 72.7,22.7 73.545,22.7 ; IC39_TH2.4@73.545,23.8 73.545,22.7 ; R81_TH2.2@73.595,22 73.545,22.05 73.545,22.7
NetIC39_TH3_3: IC39_TH3.3 R82_TH3.2 R88_TH3.2 | length 6.2
  Top Layer w0.3: IC39_TH3.3@65.545,26.5 65.545,25.655 66.6,24.6 66.6,22.195 R82_TH3.2@66.795,22 R88_TH3.2@67.995,22
NetIC39_TH3_4: IC39_TH3.4 R79_TH3.2 R81_TH3.2 | length 4.6
  Top Layer w0.3: R79_TH3.2@64.195,24.4 64.3,24.295 64.3,23.1 64.7,22.7 65.545,22.7 ; IC39_TH3.4@65.545,23.8 65.545,22.7 ; R81_TH3.2@65.595,22 65.545,22.05 65.545,22.7
NetIC39_TH4_3: IC39_TH4.3 R82_TH4.2 R88_TH4.2 | length 6.2
  Top Layer w0.3: IC39_TH4.3@57.545,21.1 57.545,20.255 58.6,19.2 58.6,16.795 R82_TH4.2@58.795,16.6 R88_TH4.2@59.995,16.6
NetIC39_TH4_4: IC39_TH4.4 R79_TH4.2 R81_TH4.2 | length 4.6
  Top Layer w0.3: R79_TH4.2@56.195,19 56.3,18.895 56.3,17.7 56.7,17.3 57.545,17.3 ; IC39_TH4.4@57.545,18.4 57.545,17.3 ; R81_TH4.2@57.595,16.6 57.545,16.65 57.545,17.3
NetIC39_TH5_3: IC39_TH5.3 R82_TH5.2 R88_TH5.2 | length 6.2
  Top Layer w0.3: IC39_TH5.3@49.545,21.1 49.545,20.255 50.6,19.2 50.6,16.795 R82_TH5.2@50.795,16.6 R88_TH5.2@51.995,16.6
NetIC39_TH5_4: IC39_TH5.4 R79_TH5.2 R81_TH5.2 | length 4.6
  Top Layer w0.3: R79_TH5.2@48.195,19 48.3,18.895 48.3,17.7 48.7,17.3 49.545,17.3 ; IC39_TH5.4@49.545,18.4 49.545,17.3 ; R81_TH5.2@49.595,16.6 49.545,16.65 49.545,17.3
NetIC39_TH6_3: IC39_TH6.3 R82_TH6.2 R88_TH6.2 | length 6.2
  Top Layer w0.3: IC39_TH6.3@41.545,21.1 41.545,20.255 42.6,19.2 42.6,16.795 R82_TH6.2@42.795,16.6 R88_TH6.2@43.995,16.6
NetIC39_TH6_4: IC39_TH6.4 R79_TH6.2 R81_TH6.2 | length 4.6
  Top Layer w0.3: R79_TH6.2@40.195,19 40.3,18.895 40.3,17.7 40.7,17.3 41.545,17.3 ; IC39_TH6.4@41.545,18.4 41.545,17.3 ; R81_TH6.2@41.595,16.6 41.545,16.65 41.545,17.3
NetIC39_TH7_3: IC39_TH7.3 R82_TH7.2 R88_TH7.2 | length 6.2
  Top Layer w0.3: IC39_TH7.3@33.545,21.1 33.545,20.255 34.6,19.2 34.6,16.795 R82_TH7.2@34.795,16.6 R88_TH7.2@35.995,16.6
NetIC39_TH7_4: IC39_TH7.4 R79_TH7.2 R81_TH7.2 | length 4.6
  Top Layer w0.3: R79_TH7.2@32.195,19 32.3,18.895 32.3,17.7 32.7,17.3 33.545,17.3 ; IC39_TH7.4@33.545,18.4 33.545,17.3 ; R81_TH7.2@33.595,16.6 33.545,16.65 33.545,17.3
NetIC39_TH8_3: IC39_TH8.3 R82_TH8.2 R88_TH8.2 | length 6.2
  Top Layer w0.3: IC39_TH8.3@25.545,21.1 25.545,20.255 26.6,19.2 26.6,16.795 R82_TH8.2@26.795,16.6 R88_TH8.2@27.995,16.6
NetIC39_TH8_4: IC39_TH8.4 R79_TH8.2 R81_TH8.2 | length 4.6
  Top Layer w0.3: R79_TH8.2@24.195,19 24.3,18.895 24.3,17.7 24.7,17.3 25.545,17.3 ; IC39_TH8.4@25.545,18.4 25.545,17.3 ; R81_TH8.2@25.595,16.6 25.545,16.65 25.545,17.3
NetIC40_3: IC40.3 R57.2 | length 1.9
  Bottom Layer w0.3: IC40.3@21.175,10.405 22.945,10.405 R57.2@23.05,10.3
NetIC47_ML1_1: IC47_ML1.1 IC47_ML1.4 R91_ML1.2 | length 6.4
  Top Layer w0.3: IC47_ML1.4@12.95,84.95 12.95,85.65 13.2,85.9 14.4,85.9 14.85,86.35 IC47_ML1.1@14.85,87.65 R91_ML1.2@14.85,89.9
NetIC47_ML2_1: IC47_ML2.1 IC47_ML2.4 R91_ML2.2 | length 6.4
  Top Layer w0.3: IC47_ML2.4@18.55,84.95 18.55,85.65 18.8,85.9 20,85.9 20.45,86.35 IC47_ML2.1@20.45,87.65 R91_ML2.2@20.45,89.9
NetIC49_1: IC49.1 IC50.4 | length 7.5
  Top Layer w0.203: IC49.1@22.1,109.05 23.75,109.05 24.3,108.5 24.3,104.9 25.025,104.175 IC50.4@25.45,104.175
NetIC50_2: IC50.2 IC51.4 | length 11.5
  Top Layer w0.203: IC51.4@20.75,104.175 20.75,101.85 21.2,101.4 23.9,101.4 25.2,102.7 26,102.7 26.1,102.8 IC50.2@26.1,105.825
NetR26_1: R26.1 R27.2 | length 2.1
  Top Layer w0.305: R26.1@41.192,104.335 R27.2@41.192,106.391
OPTONCDTA_GRN1: CN1.1A_A IC3_OGA1.8 R21_OGA1.1 | length 25.2
  Top Layer w0.25: IC3_OGA1.8@111,85.105 109.305,85.105 108.8,84.6 108.8,81.2 108.3,80.7 107.6,80.7 107.1,80.2 R21_OGA1.1@107.1,79.4 107.1,78.3 107.3,78.1 109.6,78.1 110,77.7 110,71.9 113.5,68.4 CN1.1A_A@115,68.4
OPTONCDTA_GRN2: CN1.1C_A IC3_OGA2.8 R21_OGA2.1 | length 31.8
  Top Layer w0.25: IC3_OGA2.8@111,94.405 109.305,94.405 108.8,93.9 108.8,90.5 108.3,90 107.6,90 107.1,89.5 R21_OGA2.1@107.1,88.7 107.1,87.8 107.5,87.4 111.9,87.4 112.4,86.9 112.4,83 112.9,82.5 112.9,80.3 112.2,79.6 112.2,73.9 112.7,73.4 CN1.1C_A@115,73.4
OPTONCDTA_GRN3: CN1.1E_A IC3_OGA3.8 R21_OGA3.1 | length 38.7
  Top Layer w0.25: R21_OGA3.1@107.1,98 107.1,98.8 107.6,99.3 108.3,99.3 108.8,99.8 108.8,103.2 109.305,103.705 IC3_OGA3.8@111,103.705
  MidLayer1 w0.25: v1(108.8,103.3) 109.2,102.9 109.2,79.9 110.7,78.4 CN1.1E_A@115,78.4